# Allegro board BeagleBone_AI-64_Rev_B1_PCB_220602.brd (continued)
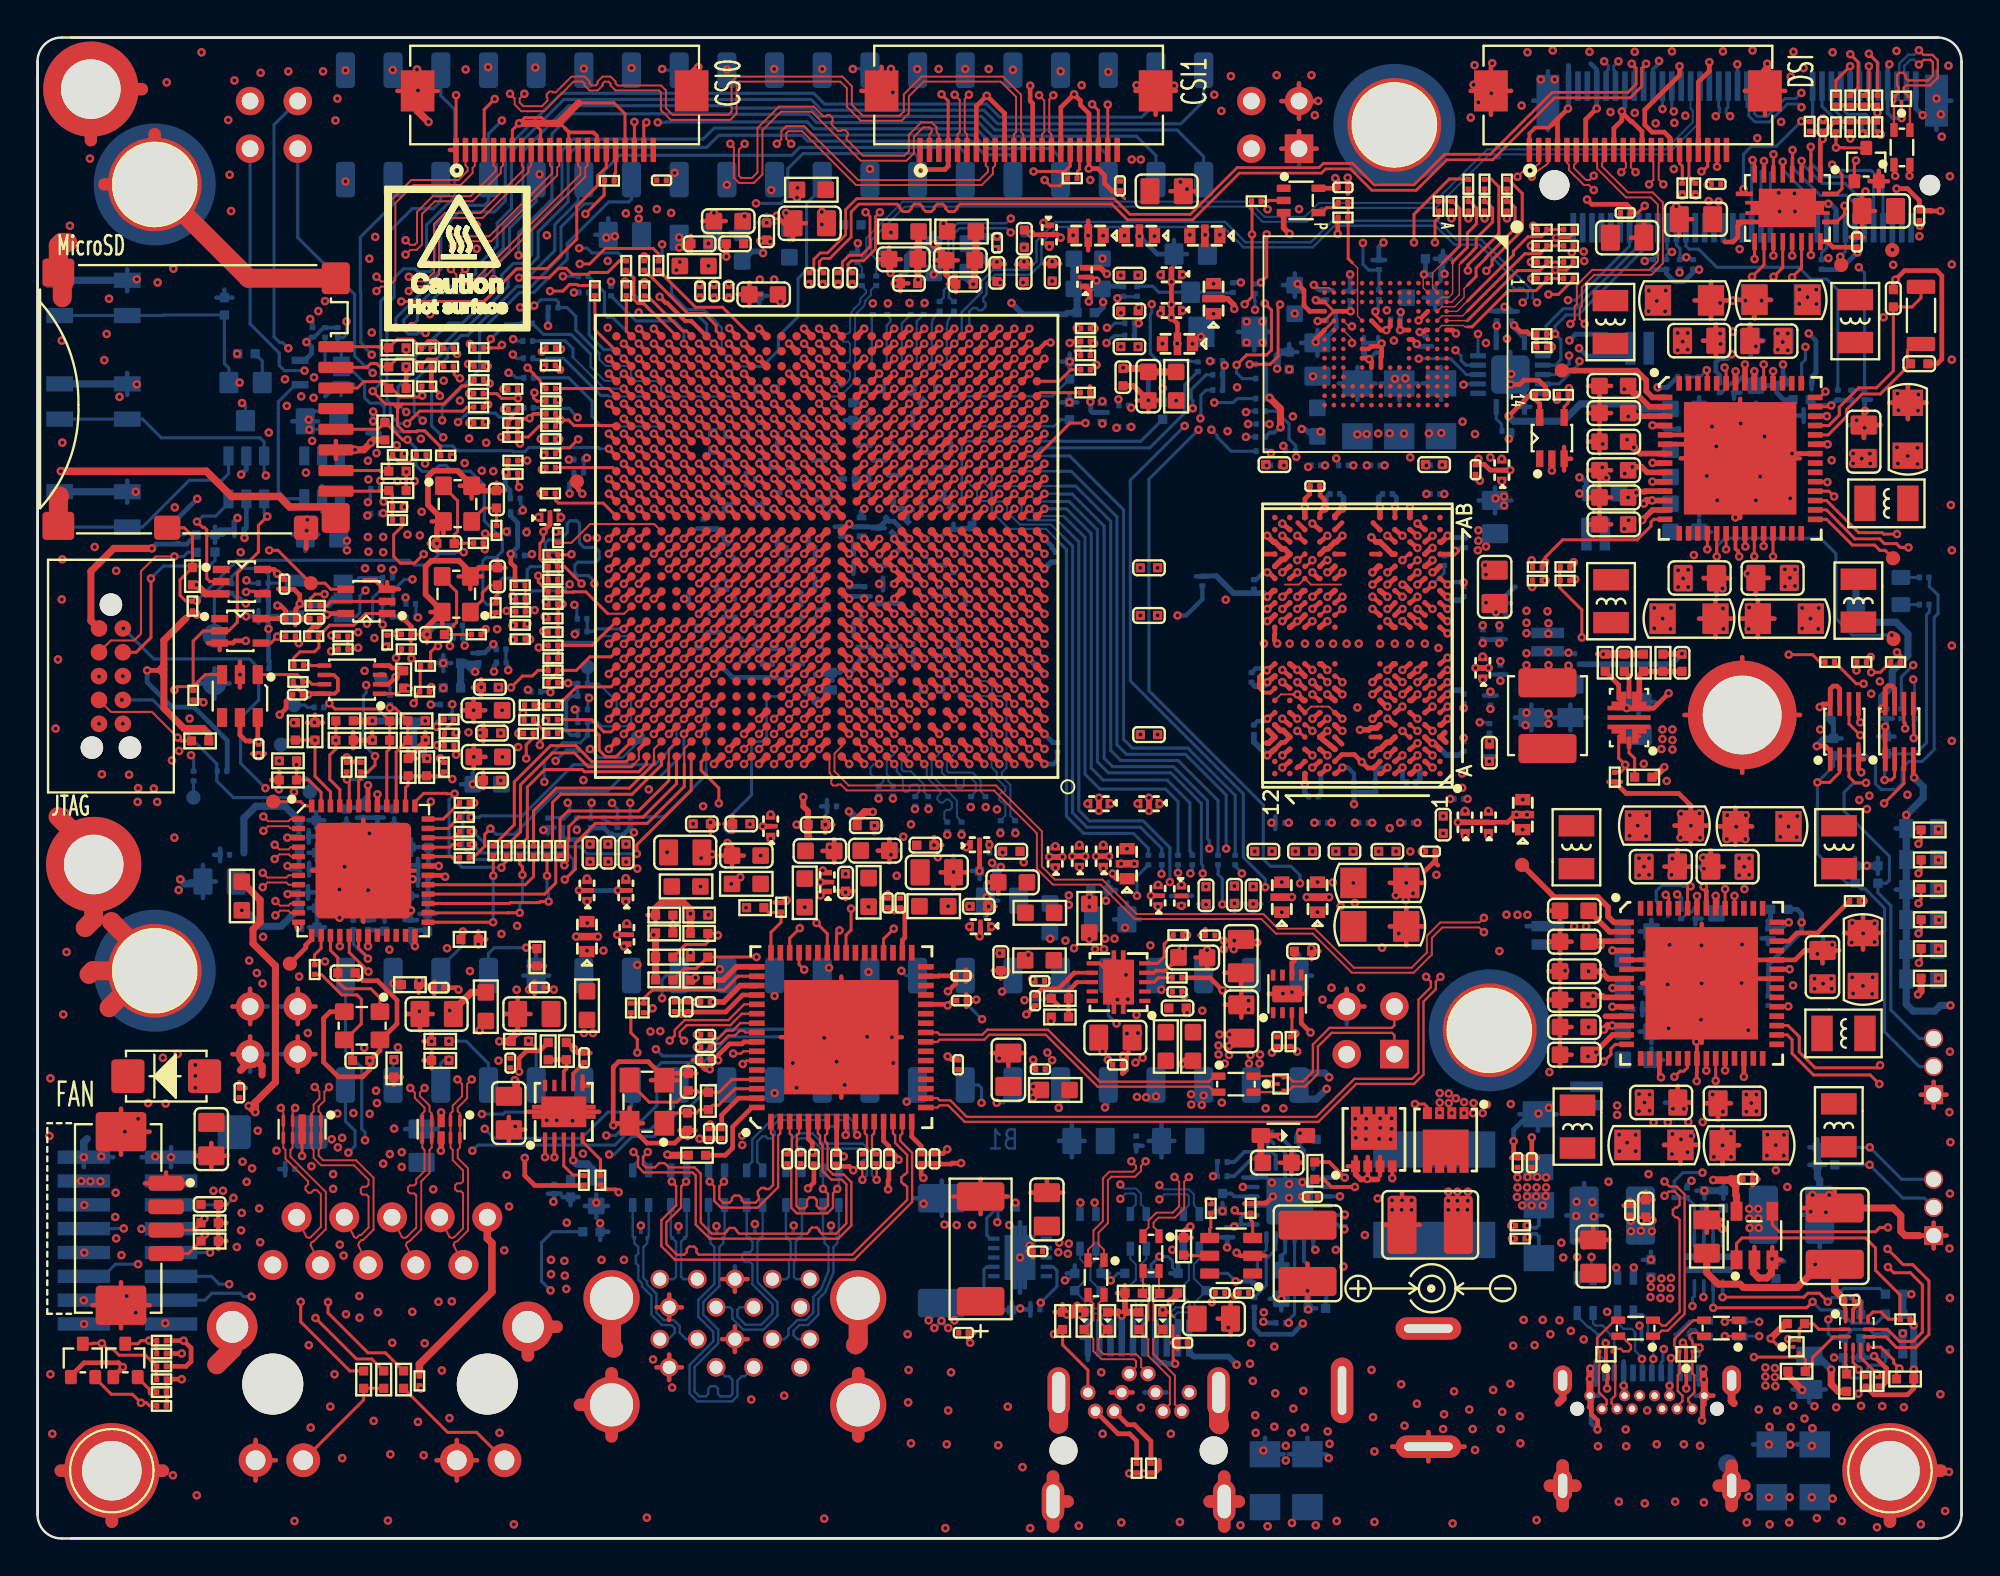
[diagram p0: board, top side]
## Routing (per net, layer and track width the routed paths; a pad name or vN(x,y) marks a point on that pad's centre or on a via; arc(x,y) is an arc through that point) (continued)
VSYSMON_RESET#: length 3.8
  TOP w0.165: 14.15,45.66 14.15,45.73 13.84,46.04 U10.1 ; 14.15,45.66 14.5,45.66 14.63,45.53 U14.7 ; 14.15,45.66 R171.2
W1_PCIE1_M.2_CLKREQ#: length 53.5
  TOP w0.229: v1(53.64,56.49) 53.64,56.48 U19.W1
  L3-SIGNAL w0.102: v1(53.64,56.49) 54.01,56.49 55.12,57.6 64.74,57.6 65.36,58.22 65.86,58.22 66.08,58.01 66.22,57.87 66.25,57.87 66.77,57.35 66.77,57.32 67.38,56.71 72.97,56.71 74.04,57.78 75.49,57.78 v1(76.58,58.87)
  L8-PWR/GND w0.127: v1(87.17,76.06) 87.14,76.06 86.79,75.71 86.79,75.05 86.23,74.49 79.37,74.49 76.69,71.81 76.69,69.45 75.74,68.5 75.74,66.67 76.22,66.18 76.22,62.15 76.61,61.77 76.61,59.86 76.58,59.83 v1(76.58,58.87)
  BOTTOM w0.165: v1(87.17,76.06) 87.17,76.09 87.06,76.2 J4.53
W2_PCIE1_M.2_WAKE#: length 52.4
  TOP w0.229: U19.W2 52.84,56.48 v1(52.84,56.49)
  L3-SIGNAL w0.102: v1(52.84,56.49) 53.24,56.88 53.87,56.88 54.91,57.93 64.75,57.93 65.42,58.6 66.69,58.6 67.41,57.88 68.97,57.88 69.17,58.08 75.18,58.08 75.92,58.82 v1(75.92,59.53)
  L8-PWR/GND w0.127: v1(86.56,76.19) 86.27,75.89 86.11,75.89 85.12,74.9 79.32,74.9 75.82,71.39 75.82,69.28 75.49,68.95 75.49,66.46 75.97,65.98 75.97,62.05 76.35,61.66 76.35,61.33 76.34,61.32 76.34,59.95 v1(75.92,59.53)
  BOTTOM w0.165: J4.55 v1(86.56,76.19)
W3_USBC_DIR: length 113.8
  TOP w0.165: R380.2 97.39,8.66 97.35,8.66 v1(97.01,9) 97.01,9.1 96.72,9.39 U21.4
  TOP w0.229: v1(52.04,56.48) 52.04,56.48 U19.W3
  L5-SIGNAL w0.102: v1(97.69,45.03) 99.41,45.03 100.63,43.81 100.63,28.86 99.13,27.37 99.13,14.24 98.7,13.81 98.7,9.72 98.25,9.26 97.28,9.26 v1(97.01,9)
  L10-SIGNAL w0.102: v1(97.69,45.03) 97.18,45.03 96.11,46.09 96.11,63.36 94.74,64.74 89.46,64.74 89.15,64.43 89.15,63.42 87.76,62.02 82.94,62.02 82.84,61.92 79.63,61.92 79.02,62.53 76.31,62.53 75.59,61.8 73.77,61.8 73.12,61.15 67.32,61.15 66.51,61.96 64.18,61.96 63.95,61.73 59.62,61.73 59.35,61.45 55.11,61.45 54.48,60.82 54.48,57.62 53.73,56.86 52.42,56.86 v1(52.04,56.48)
W4_SEL_SDIO_3V3_1V8: length 85.4
  TOP w0.165: U29.33 93.24,28.34 v1(93.27,28.36)
  TOP w0.229: U19.W4 51.24,56.48 v1(51.24,56.48)
  L3-SIGNAL w0.102: v1(66.88,59.81) 66.37,60.32 65.09,60.32 64.49,60.91 62.53,60.91 62.47,60.85 61.34,60.85 61.14,61.05 60.21,61.05 60.09,60.94 59.79,60.94 59.64,61.09 57.43,61.09 57.17,60.84 57.17,60.47 56.77,60.06 52.71,60.06 52.48,59.84 52.48,59.61 52.19,59.32 51.97,59.32 51.61,58.97 51.61,57.95 51.39,57.72 51.17,57.72 50.88,57.43 50.88,56.84 v1(51.24,56.48)
  L5-SIGNAL w0.102: v1(66.88,59.81) 66.88,58.8 67.28,58.39 68.27,58.39 69.17,59.29 75.63,59.29 75.76,59.16 76.07,59.16 76.15,59.24 79.13,59.24 81.46,56.91 81.46,51.83 81.66,51.63 86.15,51.63 87.81,53.28 93.47,53.28 96.19,50.56 96.19,36.85 95.54,36.2 95.54,32.57 94.21,31.23 93.67,31.23 92.97,30.53 92.97,28.66 v1(93.27,28.36)
  BOTTOM w0.165: R10.2 92.21,28.39 92.81,28.39 92.84,28.36 v1(93.27,28.36)
W5_AF29: length 117.6
  TOP w0.165: v1(23.04,63.67) 23.25,63.45 R222.2
  L5-SIGNAL w0.102: v1(58.54,27.91) 58.14,27.91 58.01,28.03 57.33,28.03 55.98,26.69 52.68,26.69 51.28,28.08 48.87,28.08 48.38,27.6 37.08,27.6 35.27,25.79 33.23,25.79 v1(32.94,26.08) 32.51,26.51 26.66,26.51 25.03,24.88 17.37,24.88 15.31,26.94 v1(14.4,26.94)
  L8-PWR/GND w0.127: v1(23.04,63.67) 22.33,63.67 21.51,62.86 19.81,62.86 19.8,62.87 18.45,62.87 18.18,62.6 17.65,62.6 15.82,60.77 15.82,54.19 13.52,51.9 13.52,45.76 11.13,43.37 11.13,34.26 11.55,33.83 11.55,31.97 12.57,30.96 12.57,27.59 13.22,26.94 v1(14.4,26.94)
  L10-SIGNAL w0.102: v1(58.54,27.91) 58.54,32.27 58.94,32.67 58.94,34.88 59.48,35.42 v1(59.88,35.42)
  BOTTOM w0.165: P9.19 44.34,25.42 42.62,27.14 36.75,27.14 35.33,25.72 33.3,25.72 v1(32.94,26.08) ; R72.2 59.89,35.56 59.87,35.54 59.87,35.42 v1(59.88,35.42)
W5_I2C2_SCL/MCAN0_RX: length 27.4
  TOP w0.229: v1(50.44,56.49) 50.44,56.48 U19.W5
  BOTTOM w0.114: v1(50.44,56.49) 50.44,56.26 50.83,55.87 50.83,55.51 51.07,55.27 51.4,55.27 51.65,55.02 51.65,54.72 52.33,54.04 53.99,54.04 54.63,53.4
  BOTTOM w0.165: 54.63,53.4 55.14,52.9 55.14,38.68 55.9,37.91 58.75,37.91 59.89,36.78 R72.1
W6_AE25: length 94
  TOP w0.165: v1(22.93,62.6) 23.09,62.6 23.21,62.48 R223.2
  L5-SIGNAL w0.102: v1(12.01,32.07) 12.49,31.59 13.64,31.59 15.85,29.38 17.88,29.38 18.31,29.81 18.31,31.56 18.95,32.2 21.92,32.2 23.32,30.8 31.29,30.8 32.09,31.6 40.45,31.6 42.06,29.99 43.66,29.99 43.86,30.19 v1(44.27,30.19) 47.14,33.06 56.84,33.06 57.22,33.44 58.19,33.44 58.57,33.82 v1(58.57,34.26)
  L8-PWR/GND w0.127: v1(22.93,62.6) 21.63,62.6 20.78,61.76 18.04,61.76 18.02,61.73 17.57,61.73 16.23,60.39 16.23,54.09 14.4,52.26 14.4,46.28 11.38,43.26 11.38,34.43 12.01,33.8 v1(12.01,32.07)
  BOTTOM w0.165: v1(58.57,34.26) 58.57,35.29 59.18,35.9 R73.2
W6_I2C2_SDA/MCAN0_TX: length 27.5
  TOP w0.229: v1(49.64,56.49) 49.24,56.08 U19.W6
  BOTTOM w0.114: 51.08,54.48 51.75,53.81 53.72,53.81 54.56,52.98 ; 50.84,55.05 50.85,55.06 50.62,55.3 50.28,55.3 50.05,55.52 50.05,55.82 49.64,56.23 v1(49.64,56.49)
  BOTTOM w0.137: 50.84,55.05 50.84,54.72 51.08,54.48
  BOTTOM w0.165: 54.56,52.98 54.81,52.72 54.81,38.5 55.73,37.58 58.37,37.58 59.18,36.78 R73.1
W23_FAN_PWM: length 78.9
  TOP w0.165: R382.2 6.11,7.8 v1(6.09,7.81) 5.34,8.57 Q5.2
  TOP w0.229: U19.W23 v1(35.23,56.48)
  L3-SIGNAL w0.102: v1(35.23,56.48) 34.8,56.05 33.49,56.05 33.2,55.76 33.2,54.63 32.54,53.97 28.73,53.97 28.05,53.29 26.8,53.29 26.42,53.67 26.42,53.85 26.1,54.17 25.61,54.17 25.13,54.65 21.94,54.65 21.34,54.06 18.57,54.06 18.04,53.53 18.04,53.01 v1(17.63,52.59)
  L8-PWR/GND w0.127: v1(17.63,52.59) 17.63,52.12 17.61,52.11 17.28,52.11 17.05,51.88 17.05,50.17 15.19,48.3 15.19,44.92 14.36,44.1 14.36,42.04 14.63,41.78 14.63,30.75 15.39,29.99 15.39,25.62 16.3,24.71 16.3,23.71 15.03,22.44 15.03,21.2 16.28,19.96 16.28,18.53 15.9,18.15 11,18.15 10.45,17.61 10.45,16.18 10.06,15.79 10.06,15.21 7.29,12.44 7.29,8.55 6.55,7.81 v1(6.09,7.81)
W24_CSI1_GPIO2: length 31.6
  TOP w0.165: 54.84,72.48 54.47,72.1 53.96,72.1 v1(53.65,72.41) ; 54.84,72.48 54.86,72.5 R300.1 ; 54.84,72.48 54.84,72.5
  TOP w0.229: U19.W24 34.83,56.08 v1(34.43,56.48)
  L10-SIGNAL w0.102: v1(53.65,72.41) 49.13,72.41 43.97,67.25 40.99,67.25 40.64,66.9 40.64,65.09 39.67,64.12 39.67,63.32 38.08,61.72 37.56,61.72 37.27,61.43 37.27,61.12 37.03,60.88 36.71,60.88 36.47,60.63 36.47,60.41 36.18,60.12 35.96,60.12 35.67,59.83 35.67,59.54 35.38,59.25 35.08,59.25 34.87,59.03 34.87,58.74 34.58,58.45 34.28,58.45 34.07,58.23 34.07,56.85 v1(34.43,56.48)
W25_DSI_GPIO2: length 73.4
  TOP w0.165: v1(88.34,71.57) 88.31,71.59 88.31,71.7
  TOP w0.229: U19.W25 v1(33.63,56.48)
  L3-SIGNAL w0.102: v1(88.34,71.57) 87.46,72.45 87.46,72.7 v1(87.17,72.99)
  L10-SIGNAL w0.102: v1(33.63,56.48) 33.27,56.12 32.68,56.12 32.47,56.34 32.47,58.23 32.76,58.52 32.98,58.52 33.27,58.81 33.27,59.03 33.56,59.32 33.78,59.32 34.07,59.61 34.07,59.83 34.36,60.12 34.58,60.12 34.87,60.41 34.87,60.63 35.16,60.92 35.38,60.92 35.67,61.21 35.67,61.43 35.96,61.72 36.18,61.72 36.47,62.01 36.47,62.23 36.76,62.52 36.98,62.52 37.27,62.81 37.27,63.03 37.56,63.32 38.08,63.32 38.2,63.45 38.38,63.45 40.18,65.25 40.18,67.05 40.81,67.68 43.76,67.68 45.08,69.01 45.08,69.97 48.54,73.42 56.41,73.42 57.61,72.23 60.07,72.23 61.44,70.86 64.18,70.86 64.62,70.43 69.77,70.43 70.03,70.17 74.29,70.17 75.13,71.01 75.57,71.01 78.33,73.77 78.33,74.21 78.73,74.62 84.78,74.62 86.41,72.99 v1(87.17,72.99)
W26_AUDIO_EXT_REFCLK2: length 16.7
  TOP w0.229: U19.W26 v1(32.83,56.48)
  L3-SIGNAL w0.102: v1(32.83,56.48) 32.54,56.48 32.11,56.05 31.88,56.05 31.6,55.76 31.6,55.54 31.38,55.32 26.45,55.32 26.34,55.44 21.59,55.44 21.33,55.69 18.95,55.69 v1(18.26,56.38)
  BOTTOM w0.165: v1(18.26,56.38) 18.29,56.36 18.29,55.95 R150.1
W27_CSI0_GPIO2: length 35.1
  TOP w0.165: v1(29.19,70.6) 30.18,71.6 30.18,72.37 R279.1
  TOP w0.229: v1(32.03,56.48) 32.43,56.08 U19.W27
  L5-SIGNAL w0.102: v1(22.76,57.32) 25.25,57.32 25.99,56.58 29.74,56.58 30.02,56.86 31.66,56.86 v1(32.03,56.48)
  L10-SIGNAL w0.102: v1(22.76,57.32) 22.36,57.32 22.29,57.24 21.41,57.24 21.13,57.52 21.13,59.73 22.01,60.61 22.01,61.87 21.87,62.01 21.87,67.12 21.6,67.39 21.6,69.73 22.47,70.6 v1(29.19,70.6)
W28_FAN_TACH: length 83.8
  TOP w0.165: Q6.2 3.08,8.54 3.93,7.69 5.05,7.69 v1(5.51,7.23) 5.81,7.23 5.98,7.07 R383.2
  TOP w0.229: U19.W28 v1(31.23,56.48)
  L5-SIGNAL w0.102: v1(5.51,7.23) 5.51,8.63 6.27,9.39 7.95,9.39 8.51,9.95 8.51,12.54 9.94,13.97 11.26,13.97 12.11,13.12 16.2,13.12 16.79,12.54 17.6,12.54 18.06,13 20.98,13 v1(21.36,12.62)
  L8-PWR/GND w0.127: v1(21.36,12.62) 21.36,15.41 20.27,16.5 20.27,18.61 22.22,20.57 22.22,23.08 20.01,25.29 20.01,27.07 19.89,27.19 19.89,30.6 20.55,31.26 20.55,31.69 19.15,33.09 19.15,43.43 19.3,43.58 19.3,45.4 20.36,46.46 20.36,48.39 21.36,49.39 21.36,50.28 23.14,52.06 23.14,56 23.52,56.38 23.56,56.38 23.67,56.49 v1(23.67,56.91)
  L12-SIGNAL w0.102: v1(31.23,56.48) 30.87,56.85 29.7,56.85 29.32,56.47 24.12,56.47 v1(23.67,56.91)
W29_CSI0_GPIO1: length 38.2
  TOP w0.165: v1(19.38,65.93) 23.78,65.93 25.53,67.68 27.15,67.68 28.73,69.26 28.73,71.01 29.83,72.12 29.83,72.63 30.3,73.09 J13.17
  TOP w0.229: v1(30.43,56.48) 30.83,56.08 U19.W29
  L5-SIGNAL w0.102: v1(20.09,56.36) 20.5,56.36 20.54,56.4 25.8,56.4 25.86,56.35 29.94,56.35 30.07,56.48 v1(30.43,56.48)
  L10-SIGNAL w0.102: v1(20.09,56.36) 20.02,56.43 20.02,57.14 19.86,57.29 18.97,57.29 18.69,57.57 18.69,63.29 19.48,64.08 19.48,65.43 19.38,65.54 v1(19.38,65.93)
WKUP_I2C0_SCL: length 171.3
  TOP w0.165: R378.1 96.9,46.71 v1(96.9,46.27)
  TOP w0.229: v1(33.63,47.68) 34.03,48.08 U19.J25
  L3-SIGNAL w0.102: v1(17.55,48.76) 17.84,48.47 18.09,48.47 18.71,47.86 20.2,47.86 21.03,47.03 26.19,47.03 26.33,46.89 27.84,46.89 29.04,48.1 33.22,48.1 v1(33.63,47.68)
  L5-SIGNAL w0.102: v1(96.9,46.27) 96.42,45.79 96.42,36.69 95.98,36.26 95.98,29.13 93.11,26.25 93.11,23.44 91.11,21.43 91.11,19.3 87.27,15.46 84.05,15.46 82.88,14.29 79.6,14.29 78,12.69 70.2,12.69 68.6,11.09 65.2,11.09 64.69,11.6 64.69,12.69 64.06,13.33 63.52,13.33 62.71,14.14 51.79,14.14 50.11,15.82 26.92,15.82 23.19,12.08 v1(19.96,12.08)
  L8-PWR/GND w0.127: v1(19.96,12.08) 19.16,12.88 19.16,15.2 17.85,16.5 17.85,20.13 18.18,20.46 18.18,22.01 18.79,22.62 18.79,24.02 18.16,24.66 18.16,37.76 16.07,39.84 16.07,40.66 16.99,41.57 16.99,46.83 17.49,47.33 17.49,48.24 17.55,48.3 v1(17.55,48.76)
  BOTTOM w0.165: R147.2 18.37,51.21 ; 18.37,51.21 17.14,51.21 16.98,51.06 U7.1 ; 18.37,51.21 18.37,50.65 17.85,50.13 17.85,49.06 v1(17.55,48.76)
WKUP_I2C0_SDA: length 182.5
  TOP w0.165: v1(97.69,46.17) 98.18,46.17 98.7,46.7 98.7,46.71 R379.1
  TOP w0.229: v1(34.43,46.88) 34.44,46.88 U19.H24
  L3-SIGNAL w0.102: v1(28.35,50.86) 26.49,50.86 26.49,50.87 26.11,51.25 23.37,51.25 22.98,50.86 21.08,50.86 20.75,50.54 v1(17.47,50.54)
  L5-SIGNAL w0.102: v1(97.69,46.17) 97.36,46.17 96.64,45.46 96.64,36.59 96.21,36.16 96.21,29.03 93.34,26.16 93.34,23.34 91.34,21.33 91.34,19.2 87.37,15.23 84.14,15.23 82.97,14.06 79.7,14.06 78.07,12.44 70.27,12.44 68.7,10.86 65.1,10.86 63.35,12.61 63.35,13.17 62.61,13.91 57.85,13.91 57.33,13.39 54.58,13.39 54.06,13.91 51.69,13.91 50.12,15.49 27.02,15.49 23.25,11.71 19.7,11.71 18.97,12.44 17.83,12.44 v1(17.15,11.77) ; 17.52,50.59 v1(17.47,50.54)
  L8-PWR/GND w0.127: v1(17.47,50.54) 17.47,50.12 16.05,48.7 16.05,43.61 15.29,42.84 15.29,41.95 14.88,41.55 14.88,34.1 15.34,33.65 15.34,31.31 16.51,30.14 16.51,26.54 16.48,26.51 16.48,24.96 16.63,24.81 16.63,23.04 16.43,22.83 16.43,22.44 16.94,21.94 16.94,21.1 17.35,20.69 17.35,16.29 18.65,14.98 18.65,13.26 v1(17.15,11.77)
  L10-SIGNAL w0.102: v1(34.43,46.88) 34.79,47.24 34.79,48.63 34.46,48.96 32.97,48.96 32.24,49.69 31.02,49.69 30.83,49.88 30.83,50.25 30.6,50.48 28.74,50.48 v1(28.35,50.86)
  BOTTOM w0.165: v1(17.47,50.54) 17.17,50.24 17.17,49.34 16.98,49.15 U7.3 ; R134.2 26.03,49.84 26.03,50.2 26.34,50.51 28,50.51 v1(28.35,50.86)
WKUP_LFOSC0_XI: length 95
  TOP w0.229: U19.N28 31.63,51.28 v1(31.23,50.88)
  L3-SIGNAL w0.102: v1(90.68,68.72) 90.68,68.32 91.23,67.76 v1(97.03,67.76)
  L10-SIGNAL w0.102: v1(90.68,68.72) 90.29,68.34 89.75,68.34 88.48,67.07 87.25,67.07 86.92,67.4 84.5,67.4 84.17,67.07 81.91,67.07 81.23,67.76 81.23,67.76 80.47,68.52 79.15,68.52 77.37,66.74 69.62,66.74 68.7,67.66 63.19,67.66 62.76,68.09 60.3,68.09 59.1,69.28 59.1,69.76 58.75,70.12 54.47,70.12 53.24,68.88 53.24,66.95 52.8,66.51 51.96,66.51 50.08,64.64 50.08,64.42 49.74,64.08 49.48,64.08 49.25,63.85 49.25,63.58 49.23,63.57 49.23,63.52 49,63.29 48.96,63.29 48.94,63.28 48.68,63.28 48.44,63.05 48.44,62.78 48.43,62.77 48.43,62.72 48.2,62.49 45.53,62.49 45.52,62.48 45.47,62.48 45.23,62.24 45.23,61.12 44.99,60.88 43.87,60.88 43.64,60.65 43.64,60.07 42.86,59.29 42.29,59.29 42.04,59.05 42.04,58.68 41.85,58.48 41.47,58.48 41.24,58.25 41.24,57.92 41,57.68 40.67,57.68 40.44,57.44 40.44,49.93 40.19,49.68 32.68,49.68 32.43,49.93 32.43,50.27 32.21,50.49 31.87,50.49 31.58,50.78 31.34,50.78 v1(31.23,50.88)
  BOTTOM w0.165: R3.1 96.62,61.23 97.33,61.23 ; v1(97.03,67.76) 97.33,67.45 97.33,61.23 ; 97.33,61.23 R2.1
WKUP_OSC0_XIN: length 8.4
  TOP w0.165: 24.3,49.32 v1(24.19,49.22) ; 24.3,49.32 24.41,49.32 ; 24.3,49.32 24.32,49.35 R226.1
  TOP w0.229: v1(30.43,50.08) 30.83,50.48 U19.M29
  L3-SIGNAL w0.102: v1(30.43,50.08) 30.07,50.08 30.02,50.13 28.24,50.13 28.01,50.36 26.01,50.36 25.65,50.72 25.12,50.72 24.19,49.79 v1(24.19,49.22)
WKUP_OSC0_XOUT: length 11.5
  TOP w0.165: R217.1 23.65,48.18 23.87,48.41 v1(23.87,48.47)
  TOP w0.229: U19.M27 32.04,50.08 v1(32.03,50.08)
  L3-SIGNAL w0.102: v1(32.03,50.08) 31.62,50.5 28.2,50.5 28.08,50.61 26.31,50.61 25.96,50.97 24.76,50.97 23.82,50.03 23.82,48.93 23.87,48.87 v1(23.87,48.47)
WKUP_UART0_RXD: length 40
  TOP w0.165: U33.2 96,40.83 95.47,40.3 v1(94.82,40.3)
  BOTTOM w0.165: J2.2 100.25,25.15 98.4,27.01 98.4,33.6 97.37,34.62 97.14,34.62 D2.2 96.39,34.93 94.82,36.5 v1(94.82,40.3) 95.68,41.16 R356.1 97.44,41.72 97.91,41.24 97.91,40.22 98.22,39.92 99.01,39.92 99.34,40.25 99.34,41.06 99.69,41.42 100.4,41.42 101.04,42.05 101.04,49.09 101.24,49.29 101.24,50.28 100.79,50.74 100.79,51.22 R398.2
WKUP_UART0_TXD: length 19.7
  TOP w0.165: v1(97.41,40.28) 96.82,40.28 96.5,40.6 U33.3
  BOTTOM w0.165: J2.3 100.25,26.65 98.73,28.18 98.73,33.73 98.04,34.42 D1.2 98.49,34.93 98.65,35.09 98.65,36.36 96.24,38.78 96.24,39.77 96.75,40.28 v1(97.41,40.28)
Y1_AF24: length 134.1
  TOP w0.165: v1(26.93,62.38) 26.93,62.39 27.05,62.5 27.05,62.53
  L5-SIGNAL w0.102: v1(65.71,57.85) 66.37,57.85 66.69,57.54 66.69,57.5 66.9,57.28 67.3,57.28 67.54,57.52 68.4,57.52 68.88,58 78.15,58 78.82,57.34 78.82,50.21 78.61,50 78.61,39.76 78.18,39.33 78.18,36.49 76.63,34.94 74.04,34.94 73.61,35.37 64.67,35.37 64.39,35.09 64.39,34.56 64.11,34.28 62.96,34.28 62.66,33.98 62.66,33.27 62.35,32.96 57.4,32.96 57.05,32.6 52.86,32.6 51.86,31.61 51.08,31.61 50.37,30.9 47.48,30.9 46.1,29.52 39.12,29.52 38.3,30.34 v1(36.35,30.34) 35.94,30.34 35.79,30.5 32.64,30.5 31.54,29.4 28.75,29.4 28.42,29.73 22.76,29.73 21.82,30.67 v1(21.82,31.46)
  L8-PWR/GND w0.127: v1(26.93,62.38) 26.93,59.29 26.22,58.57 26.22,58.15 25.65,57.58 25.65,56.59 25.26,56.2 25.26,55.5 24.56,54.8 24.56,51.87 22.92,50.23 22.92,48.11 22.96,48.07 22.96,48.07 23.21,47.81 23.21,47.35 22.36,46.5 22.36,44.76 22.49,44.63 22.49,44.25 21.65,43.42 21.65,43.01 21.49,42.84 21.03,42.84 20.88,42.99 20.54,42.99 20.26,42.71 20.26,36.04 21.41,34.89 21.41,31.87 v1(21.82,31.46)
  BOTTOM w0.165: v1(65.71,57.85) 65.66,57.85 65.56,57.95 R49.2 ; v1(36.35,30.34) 36.56,30.34 36.72,30.18 P9.26
Y1_UART2_RXD: length 13.1
  TOP w0.229: v1(53.64,57.29) 53.64,57.28 U19.Y1
  L3-SIGNAL w0.102: v1(62.53,59.1) 61.62,58.18 54.84,58.18 53.94,57.29 v1(53.64,57.29)
  BOTTOM w0.165: v1(62.53,59.1) 62.83,58.8 62.83,58.7 63.58,57.95 R49.1
Y2_I2C6_SDA: length 29.6
  TOP w0.229: U19.Y2 52.84,57.28 v1(52.84,57.29)
  BOTTOM w0.114: v1(52.84,57.29) 53,57.44 53.19,57.44 53.45,57.7 53.94,57.7
  BOTTOM w0.165: R57.1 63.8,39.61 61.28,42.13 58.32,42.13 57.86,42.59 57.86,54.83 54.99,57.7 53.94,57.7
Y3_UART0_CTSN: length 13.3
  TOP w0.229: U19.Y3 52.04,57.28 v1(52.04,57.29)
  BOTTOM w0.137: v1(52.04,57.29) 52.44,57.68 53.02,57.68
  BOTTOM w0.165: 53.02,57.68 53.47,58.13 59.26,58.13 61.11,59.99 61.11,61.49 61.79,62.18 61.81,62.18 R67.1
Y5_AJ24: length 119.1
  TOP w0.165: 32.33,66.77 v1(32.33,66.97)
  L5-SIGNAL w0.102: v1(11.28,30.8) 11.56,30.51 14.23,30.51 15.87,28.87 31.39,28.87 32.79,30.27 35.61,30.27 35.94,29.94 38.24,29.94 v1(39.26,28.92) 39.49,29.15 46.05,29.15 47.51,30.61 51.29,30.61 53.03,32.35 57.58,32.35 57.81,32.12 58.61,32.12 59.07,32.58 62.3,32.58 63.12,33.39 v1(63.12,33.8)
  L10-SIGNAL w0.102: v1(15.31,65.96) 15.31,65.56 15.34,65.54 15.34,64.99 14.96,64.61 13.18,64.61 11.8,63.22 11.8,56.57 11.29,56.06 11.29,53.59 11.49,53.38 11.49,52.07 11.05,51.63 11.05,51.61 9.62,50.19 9.62,33.82 11,32.45 11,31.08 v1(11.28,30.8)
  L12-SIGNAL w0.102: v1(32.33,66.97) 31.44,67.86 30.66,67.86 30.23,67.43 28.78,67.43 28.32,67.89 25.96,67.89 25.87,67.8 24,67.8 22.99,66.79 21.33,66.79 20.17,67.96 19.45,67.96 18.62,67.12 18.62,66.41 18.12,65.92 16.29,65.92 16.29,65.92 15.74,65.92 15.71,65.96 v1(15.31,65.96)
  BOTTOM w0.165: v1(63.12,33.8) 63.12,35.16 62.89,35.39 R62.2 ; P9.24 v1(39.26,28.92)
Y5_UART2_TXD: length 30.9
  TOP w0.229: v1(50.44,57.29) 50.04,56.89 U19.Y5
  BOTTOM w0.114: 54.4,56.1 51.08,56.1 50.83,56.35 50.83,56.9 v1(50.44,57.29)
  BOTTOM w0.165: 54.4,56.1 55.3,56.1 57.17,54.22 57.17,42 57.71,41.47 60.75,41.47 62.89,39.34 R62.1
Y6_I2C1_SCL: length 144.9
  TOP w0.165: v1(56.18,76.45) 56.51,76.11 J15.20 ; v1(66.19,65.78) 66.19,65.7 66.09,65.6 66.09,63.01 65.66,62.58 v1(64.57,62.58) ; U21.8 98.54,11.15 99.18,10.51 99.92,10.51 100.41,10.99 100.41,11.19 100.41,13.52 99.77,14.16 98.88,14.16 v1(98.58,14.47)
  TOP w0.229: v1(49.64,57.29) 49.24,56.89 U19.Y6
  L5-SIGNAL w0.102: v1(56.18,76.45) 56.53,76.8 60.66,76.8 62.05,75.4 62.05,71.31 64.7,68.66 64.7,66.9 65.02,66.58 65.39,66.58 v1(66.19,65.78)
  L10-SIGNAL w0.102: v1(64.57,62.58) 65.1,63.11 68.03,63.11 68.88,62.26 75.4,62.26 76.12,62.98 79.42,62.98 80.03,62.37 82.65,62.37 83.21,62.93 88.01,62.93 88.69,63.62 88.69,64.76 89.13,65.19 94.93,65.19 98.07,62.06 98.07,56.56 96.67,55.16 96.67,48.68 98.79,46.56 98.79,42.5 100.48,40.81 100.48,38.85 99.3,37.67 99.3,28.27 98.7,27.68 98.7,19.85 97.76,18.91 97.76,15.28 v1(98.58,14.47)
  L12-SIGNAL w0.102: v1(64.57,62.58) 64.57,61.89 65.2,61.26 65.2,58.23 64.27,57.3 55.03,57.3 53.82,56.09 51.07,56.09 50.83,56.33 50.83,56.65 50.6,56.89 50.28,56.89 49.88,57.29 v1(49.64,57.29)
  BOTTOM w0.165: R50.2 v1(64.57,62.58)
Y23_M.2_SDIO_RESET#: length 76.1
  TOP w0.165: Q4.1 96.79,73.36 v1(96.87,73.45)
  TOP w0.229: U19.Y23 v1(35.23,57.28)
  L10-SIGNAL w0.102: v1(96.87,73.45) 95.98,72.56 90.52,72.56 89.74,71.77 88.82,71.77 88.66,71.94 86.89,71.94 86.65,71.7 84.43,71.7 83.97,72.15 83.97,72.8 83.28,73.49 78.75,73.49 75.82,70.55 75.82,69.99 75.54,69.71 69.82,69.71 69.57,69.97 64.26,69.97 63.83,70.4 61.24,70.4 59.87,71.77 49.24,71.77 44.98,67.52 44.98,67.4 43.66,66.08 43.66,65.4 43.11,64.85 41.48,64.85 41.27,64.63 41.27,63.61 40.98,63.32 40.76,63.32 39.67,62.23 39.67,62.13 39.19,61.65 39.08,61.65 38.87,61.43 38.87,61.21 38.58,60.92 38.36,60.92 38.07,60.63 38.07,60.41 37.78,60.12 37.56,60.12 37.27,59.84 37.27,59.52 37,59.25 36.68,59.25 36.47,59.03 36.47,58.77 36.15,58.45 35.88,58.45 35.23,57.8 v1(35.23,57.28)
Y24_PRG0_UART0_RXD: length 51.1
  TOP w0.229: U19.Y24 v1(34.44,57.28)
  L10-SIGNAL w0.102: v1(18.06,57.85) 17.64,57.85 16.76,58.73 16.76,63.01 17.52,63.77 17.82,63.77 18.21,64.16 18.21,65.68 18.95,66.41 18.95,69.74 21.28,72.08 24.1,72.08 29.33,77.31 32.26,77.31 v1(33.27,78.32)
  L12-SIGNAL w0.102: v1(18.06,57.85) 18.46,57.45 19.81,57.45 20.33,57.97 21.17,57.97 22.18,56.95 23.02,56.95 23.35,57.28 25.55,57.28 25.75,57.08 26.23,57.08 26.49,57.34 27.81,57.34 28.06,57.09 29.41,57.09 29.51,57.19 30.81,57.19 31.08,56.92 34.07,56.92 v1(34.43,57.28)
  BOTTOM w0.165: v1(33.27,78.32) 33.3,78.3 33.45,78.3 33.49,78.26 P8.28
Y25_SYS_BOOTMODE3: length 55
  TOP w0.229: U19.Y25 34.03,56.88 v1(33.63,57.28)
  L3-SIGNAL w0.102: v1(33.63,57.28) 33.2,56.85 33.2,56.34 32.98,56.12 32.71,56.12 32.4,55.81 32.4,55.54 32.18,55.32 31.89,55.32 31.6,55.04 31.6,54.74 31.39,54.53 30.93,54.53 30.6,54.86 26.34,54.86 26.29,54.8 v1(25.86,54.8)
  L5-SIGNAL w0.102: v1(25.86,54.8) 22.2,54.8 21.66,54.27 19.23,54.27 18.77,53.81 15.64,53.81 14.5,54.96 v1(7.31,54.96)
  L10-SIGNAL w0.102: v1(7.31,54.96) 7.31,66.44 12.62,71.75 12.62,75.32 P8.46
  BOTTOM w0.165: 25.74,54.71 25.81,54.78 25.83,54.78 v1(25.86,54.8) 25.86,55.03 25.73,55.16 25.73,55.43 R136.2
Y26_I2C5_SCL: length 48.7
  TOP w0.165: v1(25.65,56.04) 25.65,56.02 25.58,56.1 25.58,56.48 25.61,56.51 25.61,56.74 R236.2 ; J13.20 v1(31.8,75.51)
  TOP w0.229: U19.Y26 v1(32.83,57.28)
  L3-SIGNAL w0.102: v1(32.83,57.28) 32.39,56.85 31.88,56.85 31.6,56.56 31.6,56.34 31.38,56.12 31.08,56.12 30.59,56.13 30.58,56.12 30.28,56.12 30.16,56.25 27.55,56.25 27.37,56.07 26.09,56.07 26.06,56.04 v1(25.65,56.04)
  L10-SIGNAL w0.102: v1(17.63,56.45) 18.44,57.26 18.44,65.57 19.17,66.31 19.17,69.34 21.53,71.7 27.99,71.7 v1(31.8,75.51)
  L12-SIGNAL w0.102: v1(17.63,56.45) 18.39,57.22 19.9,57.22 20.36,57.67 21.11,57.67 22.55,56.23 24.61,56.23 24.8,56.04 v1(25.65,56.04)
Y27_AD21: length 24.8
  TOP w0.165: 18.95,60.47 18.54,60.47 v1(17.85,61.15) ; 18.95,60.47 19.17,60.24 ; 18.95,60.47 19.17,60.47 ; 19.17,60.24 19.2,60.24 19.43,60.47 ; 19.17,60.24 19.17,60.47 ; 19.17,60.24 19.17,59.33 19.51,59 20.2,59 20.24,59.04 20.63,59.04 21.46,58.21 21.46,57.73 R206.2 ; 19.17,60.47 19.43,60.47 ; 19.43,60.47 21.64,60.47 22.6,61.43 22.8,61.43 22.82,61.44 22.94,61.44 23.25,61.75 R224.2
  BOTTOM w0.165: P8.37 21.48,71.28 21.08,70.88 19.96,70.88 18.64,69.56 18.64,66.31 18.28,65.95 18.28,61.58 v1(17.85,61.15)